# KiCad board hh2024.kicad_pcb
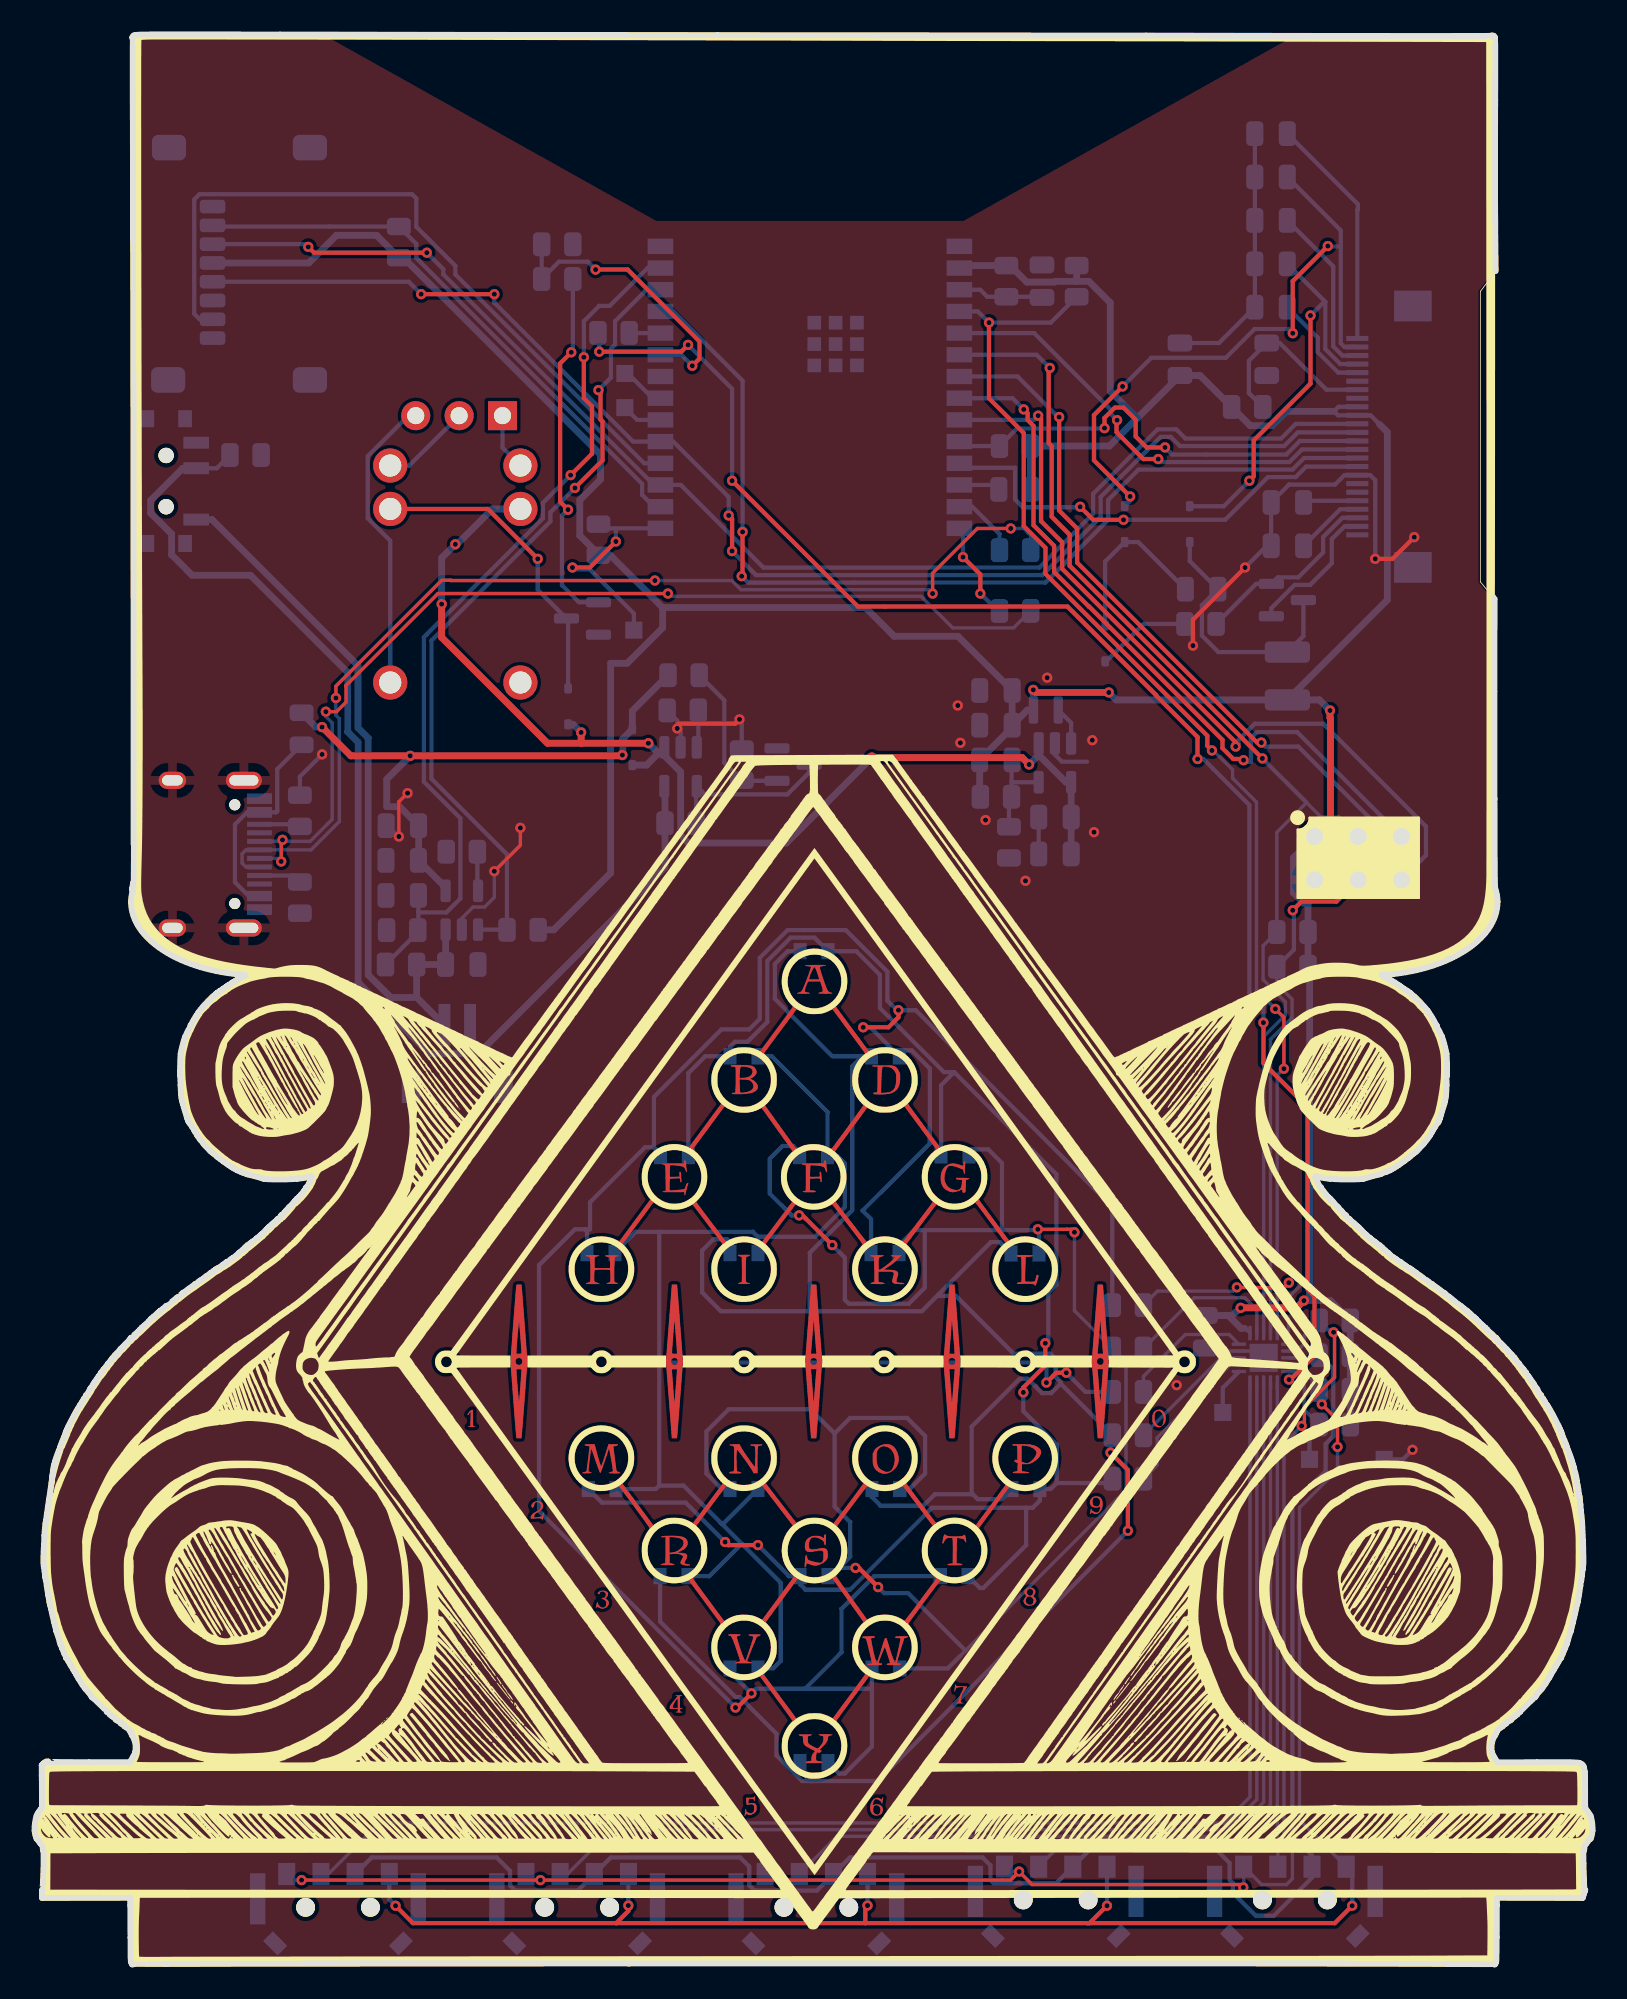
[diagram p0: board, top side]
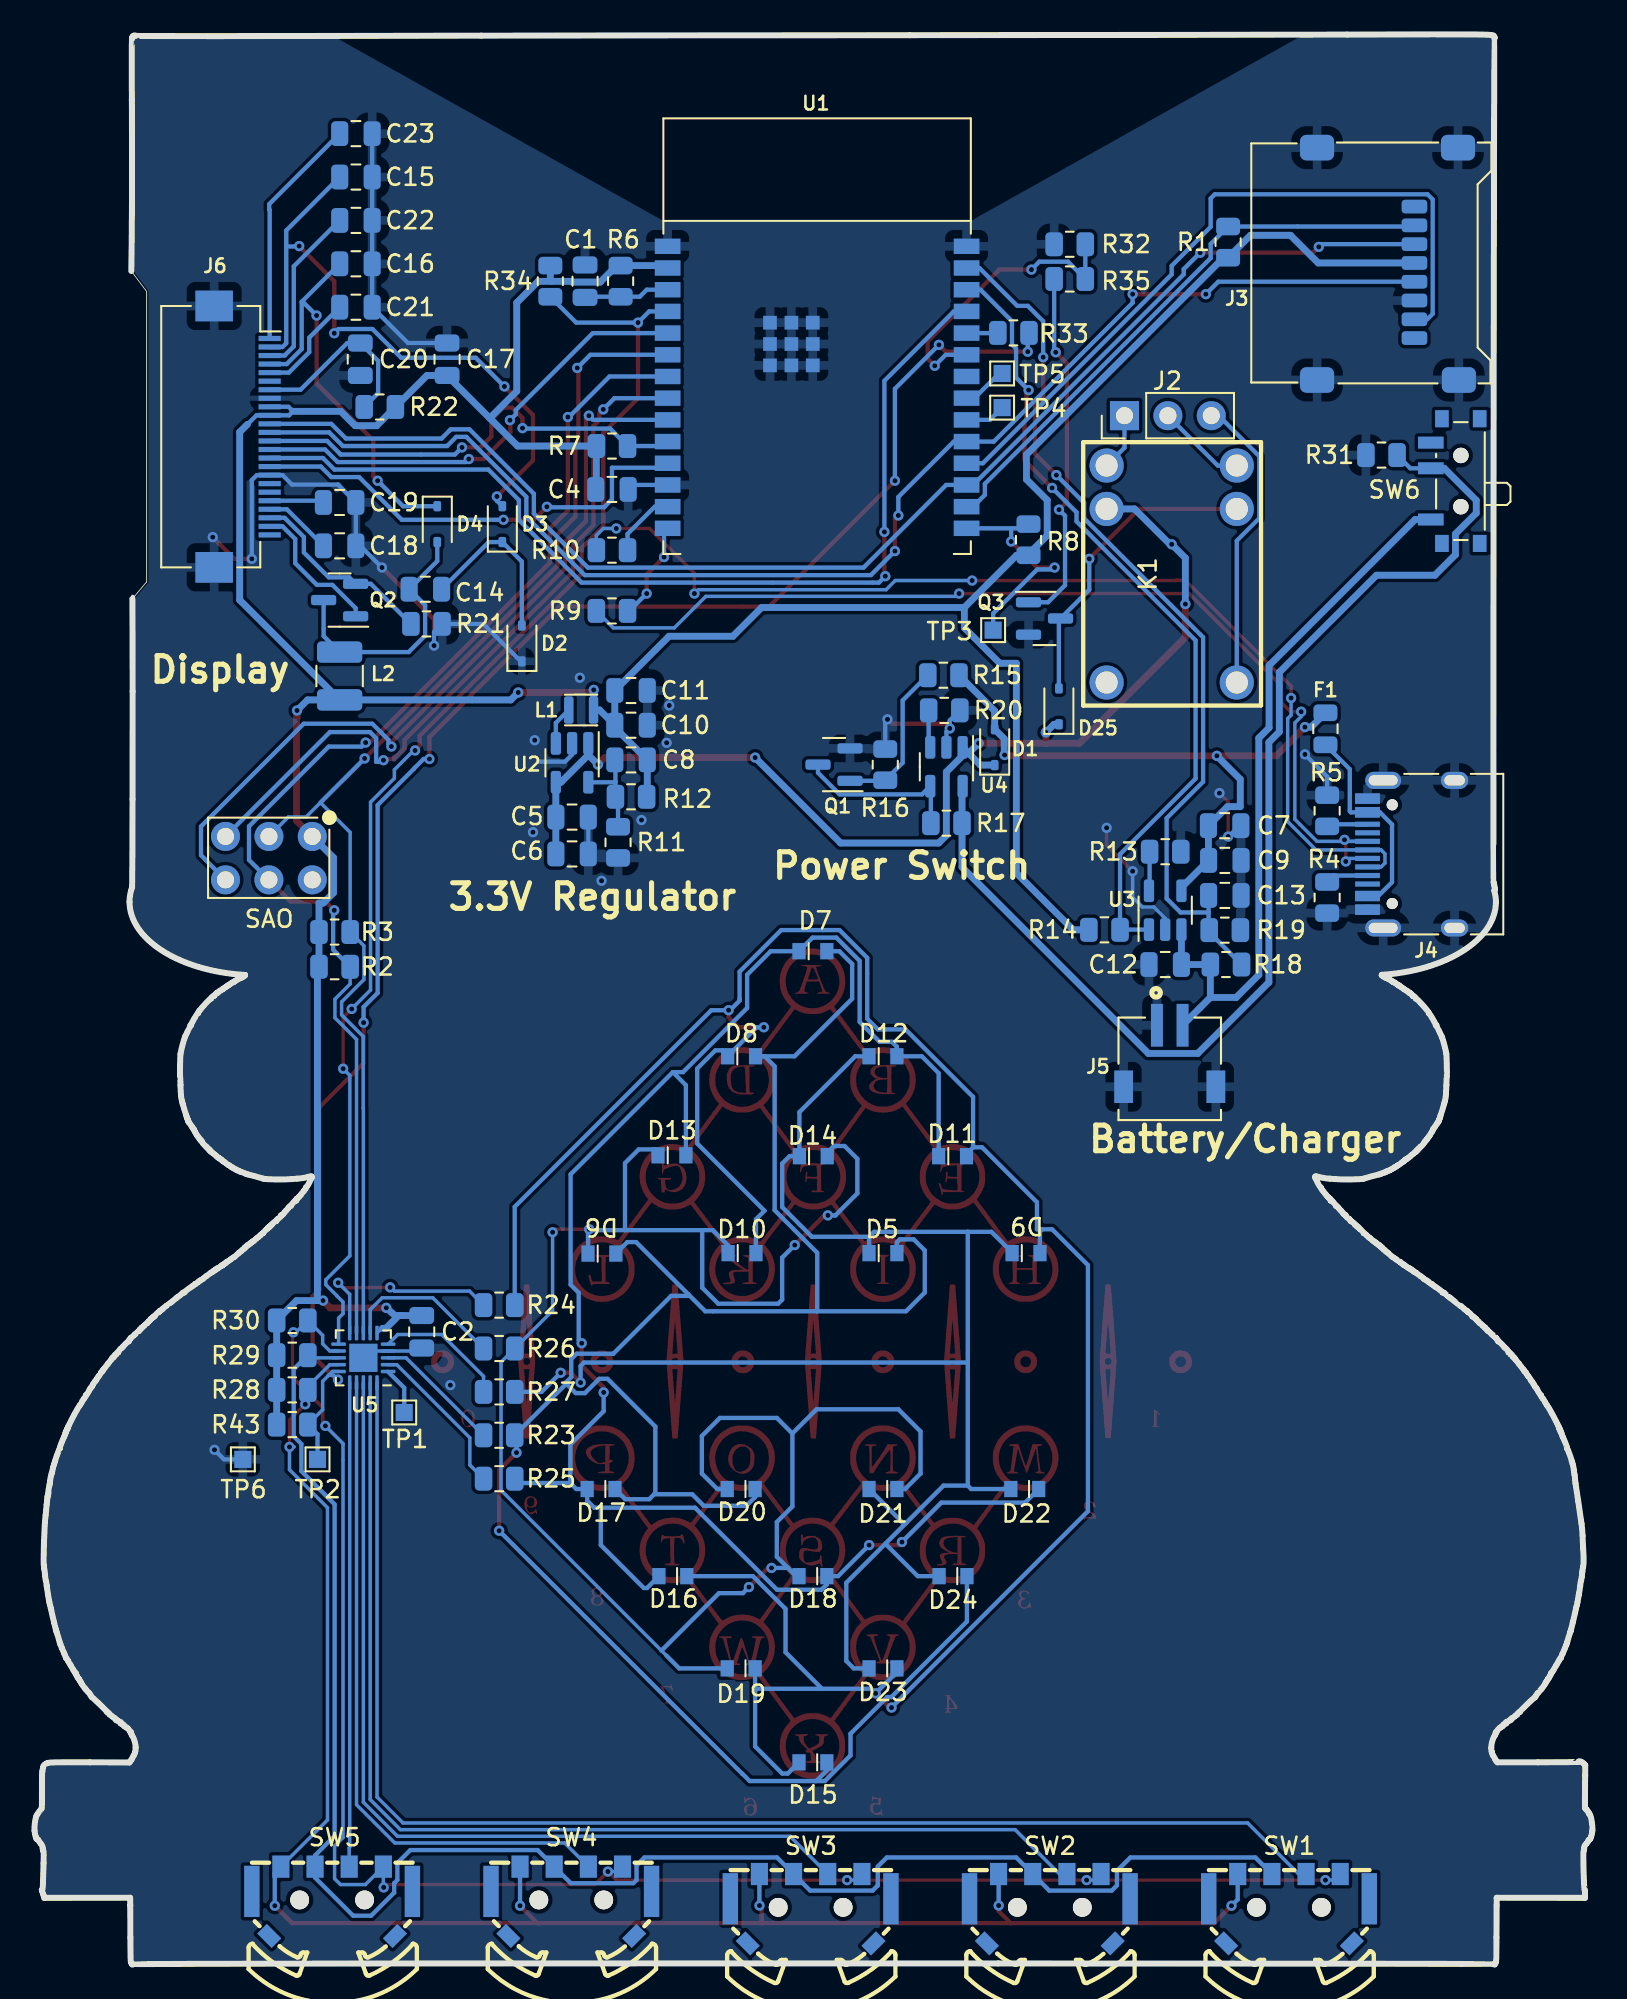
[diagram p1: board, bottom side, seen from below]

Outline 91.24 x 113.02 mm; copper layers: Top, Bottom. Coordinates in mm from the lower left corner of the outline.
Outline path: 0.56,11.81 0.44,11.69 0.45,11.1 ; 0.46,4.16 0.46,3.92 5.63,3.93 5.63,3.48 ; 3.22,11.86 5.58,11.86 5.66,11.95 ; 85.55,99.16 84.65,97.96 84.65,80.96 85.49,79.96 ; 85.59,11.95 85.67,11.85 87.98,11.86 ; 85.62,3.48 85.62,3.93 90.65,3.92 90.7,4.09

## Placement (name value [footprint] x y rotation side)
C1  1u  [C_0805_2012Metric]  58.99 98.56 90 bottom  (not fitted)
C2  100n  [C_0805_2012Metric]  68.55 37.06 90 bottom
C4  100n  [C_0805_2012Metric]  57.42 86.37 180 bottom
C5  100n  [C_0805_2012Metric]  59.75 67.19 180 bottom
C6  22u  [C_0805_2012Metric]  59.75 65.03 180 bottom
C7  10u  [C_0805_2012Metric]  21.55 66.69 0 bottom
C8  22p  [C_0805_2012Metric]  56.3 70.54 0 bottom
C9  100n  [C_0805_2012Metric]  21.54 64.65 0 bottom
C10  22u  [C_0805_2012Metric]  56.3 72.57 180 bottom
C11  22u  [C_0805_2012Metric]  56.3 74.6 180 bottom
C12  10u  [C_0805_2012Metric]  25.03 58.56 0 bottom
C13  100n  [C_0805_2012Metric]  21.54 62.6 180 bottom
C14  1u  [C_0805_2012Metric]  68.34 80.53 0 bottom
C15  1u  [C_0805_2012Metric]  72.4 104.66 180 bottom
C16  1u  [C_0805_2012Metric]  72.4 99.58 0 bottom
C17  4u7  [C_0805_2012Metric]  67.07 93.99 270 bottom
C18  1u  [C_0805_2012Metric]  73.36 83.07 0 bottom
C19  1u  [C_0805_2012Metric]  73.36 85.61 0 bottom
C20  1u  [C_0805_2012Metric]  72.15 93.99 90 bottom
C21  1u  [C_0805_2012Metric]  72.4 97.04 0 bottom
C22  1u  [C_0805_2012Metric]  72.4 102.12 0 bottom
C23  1u  [C_0805_2012Metric]  72.4 107.2 0 bottom
D1  NSR0320MW2T1G  [D_SOD-323]  35.01 71.28 90 bottom
D2  NSR0320MW2T1G  [D_SOD-323]  62.69 77.35 90 bottom
D3  NSR0320MW2T1G  [D_SOD-323]  63.83 84.34 90 bottom
D4  NSR0320MW2T1G  [D_SOD-323]  67.64 84.34 270 bottom
D5  LED_Small  [XL-1606UOC Side Sticker LED]  41.55 42.14 0 bottom
D6  LED_Small  [XL-1606UOC Side Sticker LED]  58 42.11 0 bottom
D7  LED_Small  [XL-1606UOC Side Sticker LED]  45.65 59.81 0 bottom
D8  LED_Small  [XL-1606UOC Side Sticker LED]  49.83 53.66 0 bottom
D9  LED_Small  [XL-1606UOC Side Sticker LED]  33.18 42.14 0 bottom
D10  LED_Small  [XL-1606UOC Side Sticker LED]  49.8 42.14 0 bottom
D11  LED_Small  [XL-1606UOC Side Sticker LED]  37.48 47.81 0 bottom
D12  LED_Small  [XL-1606UOC Side Sticker LED]  41.55 53.66 0 bottom
D13  LED_Small  [XL-1606UOC Side Sticker LED]  53.9 47.86 0 bottom
D14  LED_Small  [XL-1606UOC Side Sticker LED]  45.63 47.81 0 bottom
D15  LED_Small  [XL-1606UOC Side Sticker LED]  45.65 11.38 180 bottom
D16  LED_Small  [XL-1606UOC Side Sticker LED]  53.85 22.28 180 bottom
D17  LED_Small  [XL-1606UOC Side Sticker LED]  58.05 27.38 180 bottom
D18  LED_Small  [XL-1606UOC Side Sticker LED]  45.65 22.28 180 bottom
D19  LED_Small  [XL-1606UOC Side Sticker LED]  49.85 16.88 180 bottom
D20  LED_Small  [XL-1606UOC Side Sticker LED]  49.85 27.38 180 bottom
D21  LED_Small  [XL-1606UOC Side Sticker LED]  41.55 27.38 180 bottom
D22  LED_Small  [XL-1606UOC Side Sticker LED]  33.25 27.38 180 bottom
D23  LED_Small  [XL-1606UOC Side Sticker LED]  41.55 16.88 180 bottom
D24  LED_Small  [XL-1606UOC Side Sticker LED]  37.45 22.28 180 bottom
D25  NSR0320MW2T1G  [D_SOD-323]  31.26 73.67 90 bottom
F1  1A  [Fuse_0805_2012Metric]  15.65 72.36 270 bottom
G***  LOGO  [HH24_S_F.Mask]  46.55 56.26 0 top
G***#2  LOGO  [HH24_D2_F.SilkS]  46.55 56.26 0 top
G***#3  LOGO  [HH24_S_F.Cu]  46.55 56.26 0 top
J1  SAO  [SAO2]  74.96 66.06 270 bottom
J2  Breakout pads  [PinHeader_1x03_P2.54mm_Vertical]  27.42 90.69 90 bottom  (not fitted)
J3  Micro_SD_Card  [MicroSD-SOFNG-TF-002-H18]  10.49 99.63 90 bottom
J4  USB-C  [USB_C_Receptacle_HRO_TYPE-C-31-M-12]  9.14 65.02 90 bottom
J5  Battery  [JST_S2B-ZR-SM4A-TF(LF)(SN)]  24.77 52.85 180 bottom
J6  E-Paper  [Hirose_FH12-24S-0.5SH_1x24-1MP_P0.50mm_Horizontal]  79.3 89.46 270 bottom
K1  SANYOU_SRD_Form_C  [HRS1H-S-DC3V]  24.65 81.42 90 bottom
L1  2.2u  [Inductor_MSC20FC]  59.22 73.46 0 bottom
L2  47u  [L_1210_3225Metric]  73.36 75.45 90 bottom
Q1  AP2302B  [SOT-23]  44.42 70.26 0 bottom
Q2  AP2302B  [SOT-23]  73.36 79.89 0 bottom
Q3  AP2302B  [SOT-23]  32.1 78.82 180 bottom
R1  10k  [R_0805_2012Metric]  21.35 100.85 90 bottom
R2  4.7k  [R_0805_2012Metric]  73.65 58.43 0 bottom
R3  4.7k  [R_0805_2012Metric]  73.65 60.46 0 bottom
R4  5.1k  [R_0805_2012Metric]  15.55 62.48 90 bottom
R5  5.1k  [R_0805_2012Metric]  15.55 67.56 270 bottom
R6  10k  [R_0805_2012Metric]  56.91 98.56 90 bottom
R7  10k  [R_0805_2012Metric]  57.42 88.91 0 bottom
R8  10k  [R_0805_2012Metric]  33.03 83.43 90 bottom
R9  27  [R_0805_2012Metric]  57.42 79.26 180 bottom
R10  27  [R_0805_2012Metric]  57.42 82.82 180 bottom
R11  10k  [R_0805_2012Metric]  57.06 65.71 270 bottom
R12  45.3k  [R_0805_2012Metric]  56.3 68.38 0 bottom
R13  2k  [R_0805_2012Metric]  25.03 65.16 0 bottom
R14  10k  [R_0805_2012Metric]  28.59 60.59 0 bottom
R15  1k  [R_0805_2012Metric]  38.02 75.49 0 bottom
R16  100k  [R_0805_2012Metric]  41.42 70.26 270 bottom
R17  10k  [R_0805_2012Metric]  37.84 66.83 0 bottom
R18  100k  [R_0805_2012Metric]  21.48 58.56 0 bottom
R19  100k  [R_0805_2012Metric]  21.54 60.57 0 bottom
R20  4.7k  [R_0805_2012Metric]  37.96 73.44 0 bottom
R21  27  [R_0805_2012Metric]  68.27 78.5 0 bottom
R22  0  [R_0805_2012Metric]  71.01 91.2 0 bottom  (not fitted)
R23  30  [R_0805_2012Metric]  64.02 31 180 bottom
R24  30  [R_0805_2012Metric]  64.02 38.62 180 bottom
R25  30  [R_0805_2012Metric]  64.02 28.46 180 bottom
R26  30  [R_0805_2012Metric]  64.02 36.08 180 bottom
R27  30  [R_0805_2012Metric]  64.02 33.54 180 bottom
R28  10k  [R_0805_2012Metric]  76.13 33.66 180 bottom
R29  10k  [R_0805_2012Metric]  76.13 35.69 180 bottom
R30  10k  [R_0805_2012Metric]  76.13 37.72 180 bottom
R31  100k  [R_0805_2012Metric]  12.37 88.38 180 bottom
R32  100k  [R_0805_2012Metric]  30.62 100.72 180 bottom
R33  0  [R_0805_2012Metric]  33.92 95.53 180 bottom  (not fitted)
R34  10k  [R_0805_2012Metric]  61.02 98.56 270 bottom
R35  1k  [R_0805_2012Metric]  30.62 98.69 180 bottom
R43  10k  [R_0805_2012Metric]  76.13 31.63 180 bottom
SW1  Multi-Directional-Switches  [TM-2023]  17.77 3.39 0 bottom
SW2  Multi-Directional-Switches  [TM-2023]  31.77 3.39 0 bottom
SW3  Multi-Directional-Switches  [TM-2023]  45.77 3.39 0 bottom
SW4  Multi-Directional-Switches  [TM-2023]  59.79 3.83 0 bottom
SW5  Multi-Directional-Switches  [TM-2023]  73.79 3.83 0 bottom
SW6  SW_SPDT  [SW_SPDT_PCM12]  8.05 86.86 90 bottom
TP1  TestPoint  [TestPoint_Pad_1.0x1.0mm]  69.58 32.33 180 bottom
TP2  TestPoint  [TestPoint_Pad_1.0x1.0mm]  74.65 29.59 180 bottom
TP3  TestPoint  [TestPoint_Pad_1.0x1.0mm]  35.1 78.13 180 bottom
TP4  TestPoint  [TestPoint_Pad_1.0x1.0mm]  34.58 91.16 180 bottom
TP5  TestPoint  [TestPoint_Pad_1.0x1.0mm]  34.58 93.16 180 bottom
TP6  TestPoint  [TestPoint_Pad_1.0x1.0mm]  79.02 29.59 180 bottom
U1  -  [ESP32-C6-WROOM-1]  45.41 92.34 180 bottom
U2  SY8079AAC  [SOT-23-5]  59.75 70.37 270 bottom
U3  XT4054K421MR-G  [SOT-23-5]  25.03 61.74 90 bottom
U4  SY6280AAC  [SOT-23-5]  37.84 70.14 270 bottom
U5  CH32V003F4U6  [QFN-20-1EP_3x3mm_P0.4mm_EP1.65x1.65mm]  71.97 35.53 0 bottom

## Library data of the parts
C1 C14-C16 C18-C23 = -: Datasheet: https://datasheet.lcsc.com/lcsc/2304140030_CCTC-TCC0805X7R105M500FT_C376929.pdf; LCSC: C376929; Link: https://www.lcsc.com/product-detail/Multilayer-Ceramic-Capacitors-MLCC-SMD-SMT_CCTC-TCC0805X7R105M500FT_C376929.html; ki_fp_filters: C_*
C2 C4 C5 C9 C13 = -: Datasheet: https://datasheet.lcsc.com/lcsc/1912300933_TORCH-C0805B104K500NT_C476766.pdf; LCSC: C476766; Link: https://www.lcsc.com/product-detail/Multilayer-Ceramic-Capacitors-MLCC-SMD-SMT_TORCH-C0805B104K500NT_C476766.html; ki_fp_filters: C_*
C6 C10 C11 = -: Datasheet: https://datasheet.lcsc.com/lcsc/2006102223_Samsung-Electro-Mechanics-CL21A226MAYNNNE_C602037.pdf; LCSC: C602037; Link: https://www.lcsc.com/product-detail/Multilayer-Ceramic-Capacitors-MLCC-SMD-SMT_Samsung-Electro-Mechanics-CL21A226MAYNNNE_C602037.html; ki_fp_filters: C_*
C7 C12 = -: Datasheet: https://datasheet.lcsc.com/lcsc/2210121101_Samwha-Capacitor-CS2012X7R106M100NRE_C5189822.pdf; LCSC: C5189822; Link: https://www.lcsc.com/product-detail/Multilayer-Ceramic-Capacitors-MLCC-SMD-SMT_Samwha-Capacitor-CS2012X7R106M100NRE_C5189822.html; ki_fp_filters: C_*
C8 = -: Datasheet: https://datasheet.lcsc.com/lcsc/2208181800_FOJAN-FCC0805N220J500BT_C5137614.pdf; LCSC: C5137614; Link: https://www.lcsc.com/product-detail/Multilayer-Ceramic-Capacitors-MLCC-SMD-SMT_FOJAN-FCC0805N220J500BT_C5137614.html; ki_fp_filters: C_*
C17 = -: Datasheet: https://datasheet.lcsc.com/lcsc/2111172030_Samwha-Capacitor-CS2012X5R475K250NRE_C2918489.pdf; LCSC: C2918489; Link: https://www.lcsc.com/product-detail/Multilayer-Ceramic-Capacitors-MLCC-SMD-SMT_Samwha-Capacitor-CS2012X5R475K250NRE_C2918489.html; ki_fp_filters: C_*
D1-D4 D25 = -: Datasheet: https://datasheet.lcsc.com/lcsc/1806150330_onsemi-NSR0320MW2T1G_C48192.pdf; LCSC: C48192; Link: https://www.lcsc.com/product-detail/Schottky-Barrier-Diodes-SBD_onsemi-NSR0320MW2T1G_C48192.html; ki_fp_filters: TO-???* *_Diode_* *SingleDiode* D_*
D5-D24 = -: Datasheet: https://datasheet.lcsc.com/lcsc/2211030000_XINGLIGHT-XL-1606UOC_C965861.pdf; Link: https://www.lcsc.com/product-detail/Light-Emitting-Diodes-LED_XINGLIGHT-XL-1606UOC_C965861.html; LCSC: C965861; ki_fp_filters: LED* LED_SMD:* LED_THT:*
F1 = -: Datasheet: https://datasheet.lcsc.com/lcsc/1810161745_Brightking-Elec--TAIWAN-SMD0805B110TF_C269107.pdf; LCSC: C269107; Link: https://www.lcsc.com/product-detail/Resettable-Fuses_Brightking-SMD0805B110TF_C269107.html; ki_fp_filters: *polyfuse* *PTC*
J1 = -: Datasheet: https://datasheet.lcsc.com/lcsc/2105241721_Liansheng-FH-00517_C2829893.pdf; Link: https://www.lcsc.com/product-detail/Female-Headers_Liansheng-FH-00517_C2829893.html; LCSC: C2829893
J2 = -: Datasheet: https://datasheet.lcsc.com/lcsc/2201121700_DEALON-DZ254R-11-03-63_C2935909.pdf; Link: https://www.lcsc.com/product-detail/span-style-background-color-ff0-Pin-span-Headers_DEALON-DZ254R-11-03-63_C2935909.html; LCSC: C2935909; ki_fp_filters: Connector*:*_1x??_*
J3 = -: Datasheet: http://katalog.we-online.de/em/datasheet/693072010801.pdf; LCSC: C125814; Link: https://www.lcsc.com/product-detail/SD-Card-Connectors_SOFNG-TF-002X-H18_C125814.html; ki_fp_filters: microSD*
J4 = -: Datasheet: https://datasheet.lcsc.com/lcsc/2108131730_Korean-Hroparts-Elec-TYPE-C-31-M-12_C165948.pdf; LCSC: C165948; Link: https://www.lcsc.com/product-detail/USB-Connectors_Korean-Hroparts-Elec-TYPE-C-31-M-12_C165948.html; ki_fp_filters: USB*C*Receptacle*
J5 = -: Datasheet: https://datasheet.lcsc.com/lcsc/1912111437_JST-Sales-America-S2B-ZR-SM4A-TF-LF-SN_C265329.pdf; LCSC: C265329; Link: https://www.lcsc.com/product-detail/Wire-To-Board-Wire-To-Wire-Connector_JST-Sales-America-S2B-ZR-SM4A-TF-LF-SN_C265329.html; ki_fp_filters: Connector*:*_1x??-1MP*
J6 = -: Datasheet: https://datasheet.lcsc.com/lcsc/2304140030_HRS-Hirose-FH12-24S-0-5SH-55_C202112.pdf; LCSC: C202112; Link: https://www.lcsc.com/product-detail/FFC-FPC-Connectors_HRS-Hirose-FH12-24S-0-5SH-55_C202112.html; ki_fp_filters: Connector*:*_1x??-1MP*
K1 = -: Datasheet: https://datasheet.lcsc.com/lcsc/1809291620_Zhejiang-HKE-HRS1H-S-DC3V_C136110.pdf; Link: https://www.lcsc.com/product-detail/Signal-Relays_Zhejiang-HKE-HRS1H-S-DC3V_C136110.html; LCSC: C136110; ki_fp_filters: Relay*SPDT*SANYOU*SRD*Series*Form*C*
L1 = -: Datasheet: https://datasheet.lcsc.com/lcsc/1912111437_PSA-Prosperity-Dielectrics-MCS20FC-2R2MHC_C375944.pdf; LCSC: C375944; Link: https://www.lcsc.com/product-detail/Power-Inductors_PSA-Prosperity-Dielectrics-MCS20FC-2R2MHC_C375944.html; ki_fp_filters: Choke_* *Coil* Inductor_* L_*
L2 = -: Datasheet: https://datasheet.lcsc.com/lcsc/2304140030_TDK-NLCV32T-470K-PF_C83083.pdf; LCSC: C83083; Link: https://www.lcsc.com/product-detail/Power-Inductors_TDK-NLCV32T-470K-PF_C83083.html; ki_fp_filters: Choke_* *Coil* Inductor_* L_*
Q1-Q3 = -: Datasheet: https://datasheet.lcsc.com/lcsc/1912111437_ALLPOWER-ShenZhen-Quan-Li-Semiconductor-AP2302B_C406812.pdf; LCSC: C406812; Link: https://www.lcsc.com/product-detail/MOSFETs_ALLPOWER-ShenZhen-Quan-Li-Semiconductor-AP2302B_C406812.html
R1 R6-R8 R11 R14 R17 R28-R30 R34 R43 = -: Datasheet: https://datasheet.lcsc.com/lcsc/2208231730_VO-SCR0805J10K_C5140188.pdf; LCSC: C5140188; Link: https://www.lcsc.com/product-detail/Chip-span-style-background-color-ff0-Resistor-span-Surface-Mount_VO-SCR0805J10K_C5140188.html; ki_fp_filters: R_*
R2 R3 R20 = -: Datasheet: https://datasheet.lcsc.com/lcsc/2308241947_FOJAN-FRC0805J472-TS_C2907326.pdf; LCSC: C2907326; Link: https://www.lcsc.com/product-detail/Chip-span-style-background-color-ff0-Resistor-span-Surface-Mount_FOJAN-FRC0805J472-TS_C2907326.html; ki_fp_filters: R_*
R4 R5 = -: Datasheet: https://datasheet.lcsc.com/lcsc/2308241947_FOJAN-FRC0805J512TS_C2930296.pdf; LCSC: C2930296; Link: https://www.lcsc.com/product-detail/Chip-span-style-background-color-ff0-Resistor-span-Surface-Mount_FOJAN-FRC0805J512TS_C2930296.html; ki_fp_filters: R_*
R9 R10 R21 = -: Datasheet: https://datasheet.lcsc.com/lcsc/2308241947_FOJAN-FRC0805J270-TS_C2907314.pdf; LCSC: C2907314; Link: https://www.lcsc.com/product-detail/Chip-span-style-background-color-ff0-Resistor-span-Surface-Mount_FOJAN-FRC0805J270-TS_C2907314.html; ki_fp_filters: R_*
R12 = -: Datasheet: https://datasheet.lcsc.com/lcsc/2211151030_Viking-Tech-ARG05DTC4532_C5266157.pdf; LCSC: C5266157; Link: https://www.lcsc.com/product-detail/Chip-span-style-background-color-ff0-Resistor-span-Surface-Mount_Viking-Tech-ARG05DTC4532_C5266157.html; ki_fp_filters: R_*
R13 = -: Datasheet: https://datasheet.lcsc.com/lcsc/2205131800_VO-SCR0805J2K_C3017846.pdf; LCSC: C3017846; Link: https://www.lcsc.com/product-detail/Chip-span-style-background-color-ff0-Resistor-span-Surface-Mount_VO-SCR0805J2K_C3017846.html; ki_fp_filters: R_*
R15 R35 = -: Datasheet: https://datasheet.lcsc.com/lcsc/2205131800_VO-SCR0805J1K_C3017842.pdf; LCSC: C3017842; Link: https://www.lcsc.com/product-detail/Chip-span-style-background-color-ff0-Resistor-span-Surface-Mount_VO-SCR0805J1K_C3017842.html; ki_fp_filters: R_*
R16 R18 R19 R31 R32 = -: Datasheet: https://datasheet.lcsc.com/lcsc/2308241947_FOJAN-FRC0805J104-TS_C2907293.pdf; LCSC: C2907293; Link: https://www.lcsc.com/product-detail/Chip-span-style-background-color-ff0-Resistor-span-Surface-Mount_FOJAN-FRC0805J104-TS_C2907293.html; ki_fp_filters: R_*
R22 R33 = -: Datasheet: https://datasheet.lcsc.com/lcsc/2308241947_FOJAN-FRC0805P000-TS_C2907288.pdf; LCSC: C2907288; Link: https://www.lcsc.com/product-detail/Chip-span-style-background-color-ff0-Resistor-span-Surface-Mount_FOJAN-FRC0805P000-TS_C2907288.html; ki_fp_filters: R_*
R23-R27 = -: Datasheet: https://datasheet.lcsc.com/lcsc/2205311900_UNI-ROYAL-Uniroyal-Elec-0805W8J0300T5E_C25305.pdf; LCSC: C25305; Link: https://www.lcsc.com/product-detail/Chip-Resistor-Surface-Mount_UNI-ROYAL-Uniroyal-Elec-0805W8J0300T5E_C25305.html; ki_fp_filters: R_*
SW1-SW5 = -: Datasheet: https://datasheet.lcsc.com/lcsc/2110151630_XKB-Connectivity-TM-2023_C318951.pdf; Link: https://www.lcsc.com/product-detail/Multi-Directional-Switches_XKB-Connectivity-TM-2023_C318951.html; LCSC: C318951
SW6 = -: Datasheet: https://datasheet.lcsc.com/lcsc/2110151630_XKB-Connectivity-SK-3296S-01-L1_C319020.pdf; Link: https://www.lcsc.com/product-detail/Toggle-Switches_XKB-Connectivity-SK-3296S-01-L1_C319020.html; LCSC: C319020
TP1-TP6 = -: Description: test point; ki_fp_filters: Pin* Test*
U1 = -: Datasheet: https://www.espressif.com/sites/default/files/documentation/esp32-c6-wroom-1_datasheet_en.pdf; LCSC: -; Field16: Antenna Area
U2 = -: Datasheet: https://datasheet.lcsc.com/lcsc/1809050356_Silergy-Corp-SY8079AAC_C133751.pdf; LCSC: C133751; Link: https://www.lcsc.com/product-detail/DC-DC-Converters_Silergy-Corp-SY8079AAC_C133751.html; ki_fp_filters: SOT?23*
U3 = -: Datasheet: https://datasheet.lcsc.com/lcsc/1811010913_NATLINEAR-XT4054K421MR-G_C141405.pdf; LCSC: C141405; Link: https://www.lcsc.com/product-detail/Battery-Management-ICs_NATLINEAR-XT4054K421MR-G_C141405.html; ki_fp_filters: SOT?23*
U4 = -: Datasheet: https://datasheet.lcsc.com/lcsc/1810121532_Silergy-Corp-SY6280AAC_C55136.pdf; LCSC: C55136; Link: https://www.lcsc.com/product-detail/Power-Distribution-Switches_Silergy-Corp-SY6280AAC_C55136.html; ki_fp_filters: SOT?23*
U5 = -: Datasheet: https://datasheet.lcsc.com/lcsc/2302231730_WCH-Jiangsu-Qin-Heng-CH32V003F4U6_C5299908.pdf; LCSC: C5299908; Link: https://www.lcsc.com/product-detail/Microcontroller-Units-MCUs-MPUs-SOCs_WCH-Jiangsu-Qin-Heng-CH32V003F4U6_C5299908.html